# Allegro board pc053c_toplevel_43solder.brd (continued)
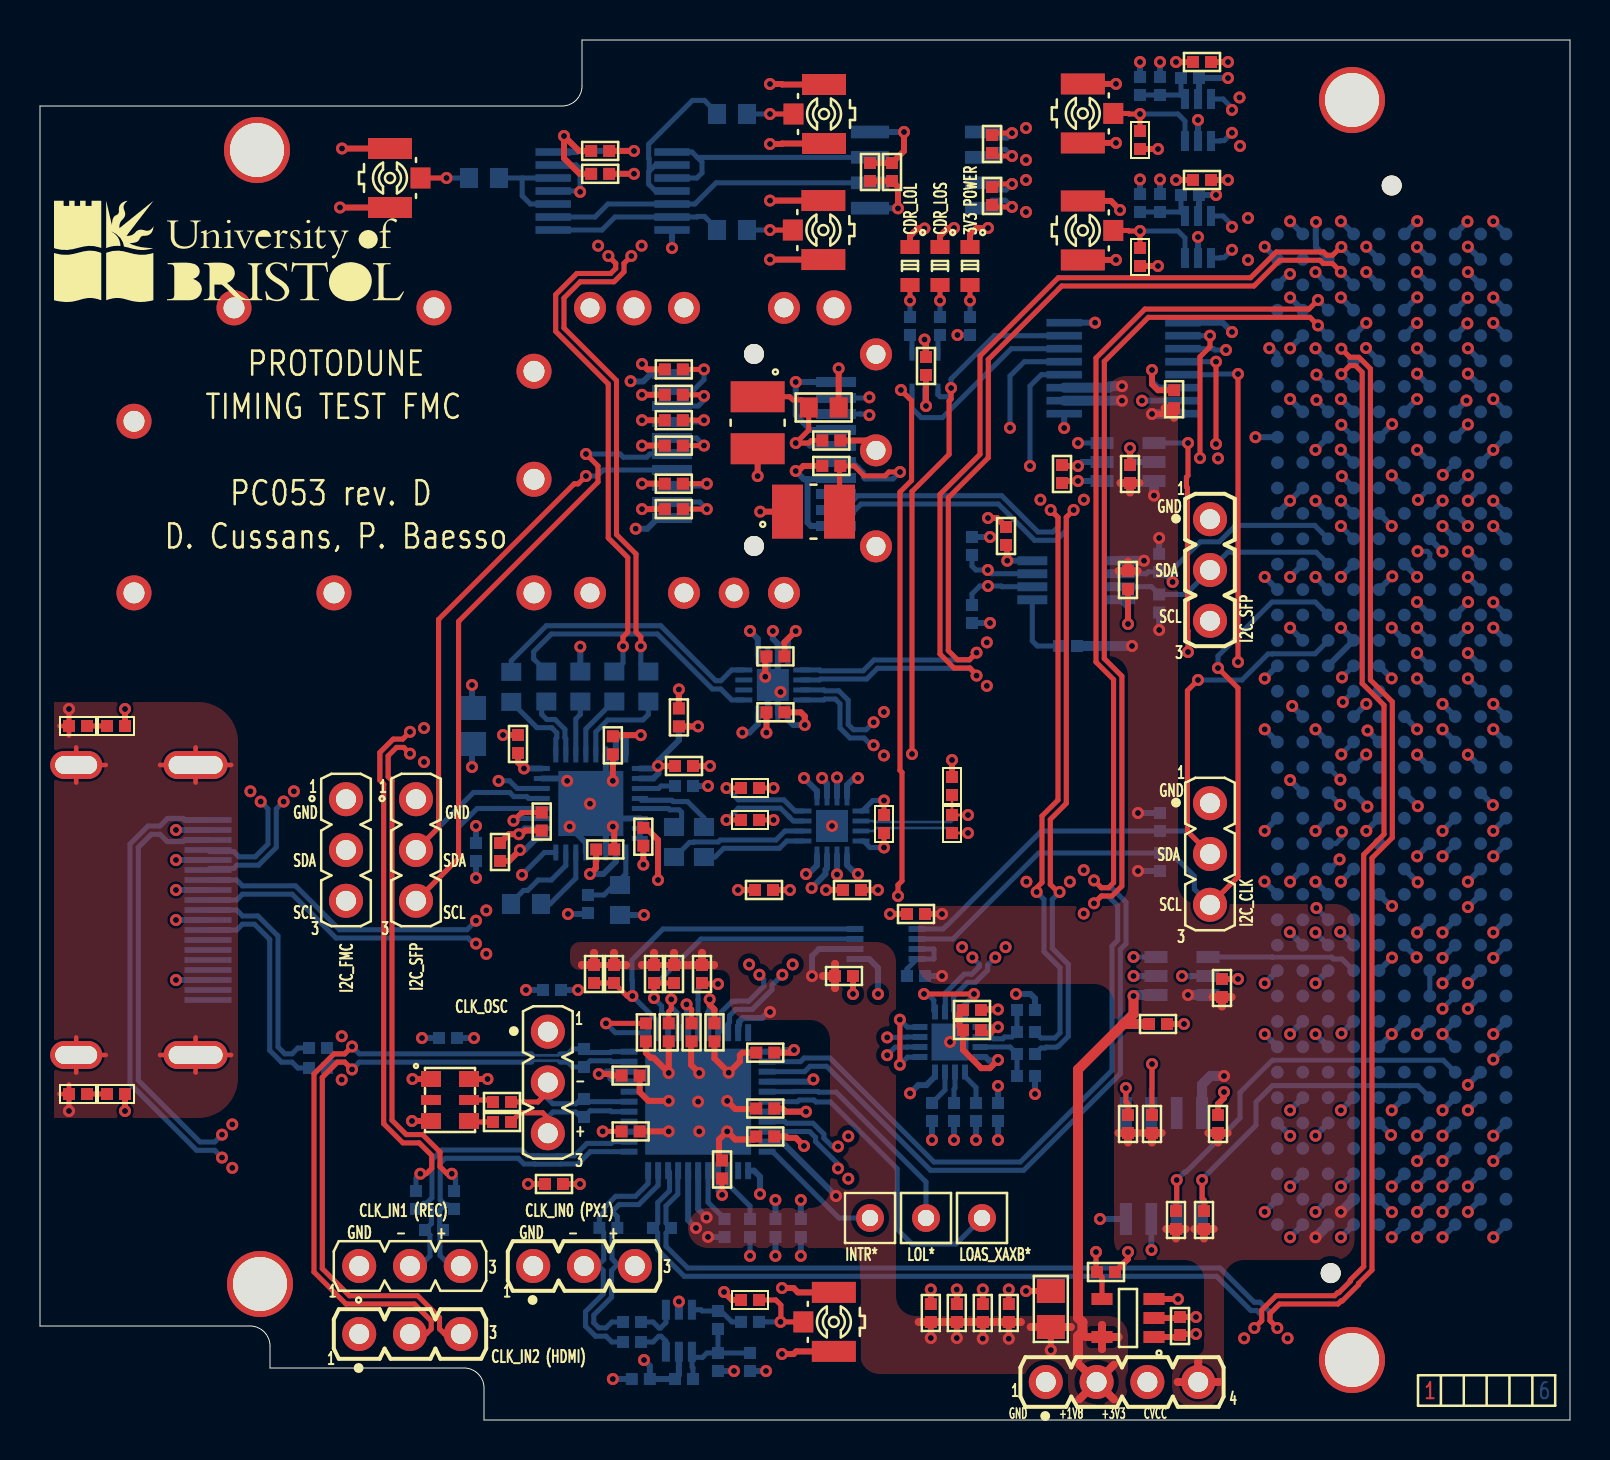
[diagram p0: board, top side]
## Routing (per net, layer and track width the routed paths; a pad name or vN(x,y) marks a point on that pad's centre or on a via; arc(x,y) is an arc through that point) (continued)
IN_N: length 4.1
  BOTTOM w0.254: C44.2 33.2,30.1 32.38,30.92 31.66,30.92 31.59,30.99 30.08,30.99 IC12.4
IN_P: length 3.1
  BOTTOM w0.254: C43.2 32.08,30.03 32.08,30.39 31.96,30.51 31.49,30.51 31.42,30.57 29.99,30.57 IC12.5
IN_SEL0: length 2.3
  TOP w0.254: R17.2 v1(28.13,14.43)
  BOTTOM w0.254: v1(28.13,14.43) 29.44,14.43 IC4.3
IN_SEL1: length 2.1
  TOP w0.254: R19.2 v1(34.1,11.26)
  BOTTOM w0.254: v1(34.1,11.26) 33.91,11.45 33.91,12.47
Net_87:
  vias: v1(45.5,18.9)
OSC_CLK_N: length 7.7
  TOP w0.254: C25.2 24.89,15.9 25.39,16.4 J2.2
  BOTTOM w0.254: J2.2 25.39,16.07 25.64,15.81 26.8,15.81 27.03,16.05 R7.2 27.33,15.92 IC4.6
OSC_CLK_P: length 8.1
  TOP w0.254: C21.2 24.01,15.36 25.14,15.36 25.39,15.1 J2.3
  BOTTOM w0.254: IC4.5 28.57,15.42 28.52,15.46 27.51,15.46 R7.1 27.03,15.15 26.79,15.4 25.65,15.4 25.39,15.14 J2.3
REC_CLK_N: length 55.2
  TOP w0.254: v1(19.02,12.31) 19.31,12.31 19.59,12.59 19.59,13.23 18.96,13.86 18.14,13.86 17.19,14.81 17.19,31.8 16.99,31.99 16.99,33.38 17.66,34.04 18.13,34.04 v1(18.5,34.41)
  L3_SIGN w0.2: v1(18.5,34.41) 18.61,34.41 18.97,34.05 19.35,34.05 19.46,33.94 21.4,33.94 21.64,33.71 22.91,33.71 22.93,33.69 29.81,33.69 30.27,33.69 30.28,33.71 38.81,33.71 39.64,34.54 41.44,34.54 41.68,34.78 v1(41.68,34.89)
  BOTTOM w0.254: v1(41.68,34.89) 41.31,34.51 40.67,34.51 40.41,34.77 40.41,35.99 39.94,36.46 39.23,36.46 39.19,36.5 IC17.11 ; C27.1 18.8,12.1 v1(19.02,12.31)
REC_CLK_P: length 54.3
  TOP w0.254: v1(18.5,33.32) 18.19,33.63 17.83,33.63 17.41,33.21 17.41,32.16 17.6,31.97 17.6,14.99 18.31,14.27 19.13,14.27 20,13.4 20,12.67 20.35,12.31 v1(20.59,12.31)
  L3_SIGN w0.2: v1(41.68,33.74) 41.56,33.74 41.21,34.09 39.83,34.09 38.99,33.25 30.47,33.25 30.46,33.24 22.74,33.24 22.73,33.25 21.45,33.25 21.21,33.49 18.99,33.49 18.82,33.32 v1(18.5,33.32)
  BOTTOM w0.254: IC17.12 39.19,36 39.23,36.05 39.77,36.05 40,35.82 40,34.6 40.5,34.1 41.2,34.1 41.56,33.74 v1(41.68,33.74) ; v1(20.59,12.31) 20.78,12.12 20.78,11.53 C24.1
S_CLK_IN: length 4.3
  TOP w0.254: R27.2 36.79,6 37.04,5.75 37.04,4.91 ; 37.04,4.91 v1(37.02,4.91) ; 37.04,4.91 PX1.1
  BOTTOM w0.254: v1(37.02,4.91) C50.1
S_GPIO_IN0: length 5.6
  TOP w0.25: R30.2 v1(55,65.3) 54.45,65.3 54.42,65.33 PX2.1
  BOTTOM w0.25: IC6.3 57.25,64.95 56.9,65.3 v1(55,65.3)
S_GPIO_IN1: length 5.6
  TOP w0.25: R31.2 v1(55,59.45) 54.45,59.45 54.42,59.48 PX3.1
  BOTTOM w0.25: IC7.3 57.25,59.1 56.9,59.45 v1(55,59.45)
SFP_LOS: length 24.6
  TOP w0.254: 32.14,51.26 33.14,51.26 v1(33.2,51.2)
  L3_SIGN w0.254: v1(33.2,51.2) 33.75,51.2 33.81,51.26 35.12,51.26 36.77,49.61 v1(48.5,49.61)
  BOTTOM w0.254: J4.8 32.91,50.7 33.2,50.99 v1(33.2,51.2) ; v1(48.5,49.61) 48.5,52.2 49.21,52.91 IC10.5
SFP_SCL: length 68.2
  TOP w0.254: v1(27.3,48.3) 27.9,47.7 27.9,46.9 20.93,39.93 20.93,28.09 J5.3
  L3_SIGN w0.254: v1(27.3,48.3) 27.69,47.91 27.89,47.91 28.4,47.4 28.4,43.9 29.8,42.5 v1(47.39,42.5)
  BOTTOM w0.254: J4.5 30.5,48.3 30.34,48.14 29.17,48.14 29.01,48.3 v1(27.3,48.3) ; R411.2 46.6,42.7 46.8,42.5 v1(47.39,42.5) 47.58,42.31 IC15.7 ; J5.3 20.93,28.09 20.93,29.65 21.86,30.58 IC12.20
SFP_SDA: length 64
  TOP w0.254: J5.2 19.93,29.63 19.93,40.03 26.71,46.81 26.91,46.81 v1(27.3,47.2)
  L3_SIGN w0.254: v1(27.3,47.2) 27.3,46.65 27.4,46.55 27.4,43.3 30.5,40.2 42.2,40.2 43.7,41.7 v1(47.4,41.7)
  BOTTOM w0.254: v1(27.3,47.2) 27.85,47.2 28.15,47.5 J4.4 ; IC12.21 24.44,31.08 24.34,31.17 23.69,31.17 23.49,31.38 21.68,31.38 J5.2 ; R140.2 46.6,41.3 47,41.7 v1(47.4,41.7) 48.06,41.7 48.1,41.66 IC15.6
SFP_TX_DISABLE: length 23.8
  TOP w0.254: v1(33.34,46.81) 32.14,46.81
  L3_SIGN w0.254: v1(51.9,48.85) 48.75,48.85 46.5,46.6 34.11,46.6 33.9,46.81 v1(33.34,46.81)
  BOTTOM w0.254: v1(33.34,46.81) 33.23,46.7 J4.3 ; IC14.3 v1(51.9,48.85)
SFP_TX_FAULT: length 26.1
  TOP w0.254: 32.14,45.55 v1(33.34,45.55)
  L3_SIGN w0.254: v1(49.5,47.7) 47.8,46 33.8,46 v1(33.34,45.55)
  BOTTOM w0.254: v1(49.5,47.7) 49.5,51.7 50.06,52.27 IC10.4 ; J4.2 32.99,45.9 v1(33.34,45.55)
SY5860_IN_N: length 14.3
  BOTTOM w0.254: R55.2 23.56,37.96 25.31,39.71 31.04,39.71 33.79,36.96 34.05,36.96 34.59,37.5 IC17.4
SY5860_IN_P: length 13.5
  BOTTOM w0.254: IC17.1 34.59,36 34.04,36.55 33.62,36.55 30.87,39.3 25.57,39.3 24.68,38.41 24.68,38.05 R54.2
T_CDR_N: length 5.3
  BOTTOM w0.254: IC13.9 37.34,28.95 36.97,28.59 34.19,28.59 33.75,28.15 C44.1
T_CDR_P: length 7
  BOTTOM w0.254: IC13.10 37.25,29.45 36.8,29 34.01,29 33.91,28.9 32.7,28.9 32.68,28.88 32.48,28.88 31.75,28.15 C43.1
T_FFD_CLK_N: length 14.5
  L3_SIGN w0.2: v1(35.97,22.26) 36.21,22.02 36.21,21.8 36.32,21.69 36.32,21.45 36.72,21.05 36.73,21.05 37.18,20.6 39.1,20.6 41.1,18.6 42,18.6 v1(42.36,18.24)
  BOTTOM w0.254: v1(42.36,18.24) 42.76,18.64 43.36,18.64 43.37,18.65 IC3.2 ; IC4.19 33.98,19.44 33.98,19.91 33.99,19.92 33.99,19.98 34.06,20.05 34.06,20.39 34.61,20.94 34.78,20.94 34.79,20.94 35.44,20.94 36.19,21.69 36.19,22.05 v1(35.97,22.26)
T_FFD_CLK_P: length 13.6
  L3_SIGN w0.2: v1(42.36,19.13) 42.13,19.13 42.05,19.05 41.29,19.05 39.29,21.05 37.37,21.05 36.92,21.51 36.91,21.51 36.78,21.64 36.78,21.92 v1(37.12,22.26)
  BOTTOM w0.254: IC4.20 34.39,19.38 34.39,19.74 34.41,19.75 34.41,19.81 34.48,19.88 34.48,20.22 34.78,20.52 34.95,20.52 34.96,20.53 35.61,20.53 36.6,21.52 36.6,21.75 v1(37.12,22.26) ; v1(42.36,19.13) 42.91,19.13 42.93,19.14 43.36,19.14 43.37,19.15 IC3.3
T_FFD_D_N: length 33.7
  L4_SIGN w0.2: v1(66.31,33.28) 65.92,33.67 65.92,33.93 65.45,34.4 64.66,34.4 64.21,33.95 50.61,33.95 46.97,30.31 46.97,23.47 v1(46.62,23.13)
  BOTTOM w0.254: v1(46.62,23.13) 46.97,22.78 46.97,22.67 46.59,22.29 46.21,22.29 45.26,21.35 45.26,20.41 IC3.6 ; v1(66.31,33.28) 65.68,32.65 P1.G22
T_FFD_D_P: length 32.2
  L4_SIGN w0.2: v1(65.07,33.28) 65.46,33.67 65.46,33.75 65.26,33.95 64.85,33.95 64.4,33.5 50.8,33.5 47.42,30.12 47.42,23.47 v1(47.77,23.13)
  BOTTOM w0.254: v1(47.77,23.13) 47.38,22.74 47.38,22.5 46.76,21.88 46.38,21.88 45.68,21.18 45.68,20.47 IC3.7 ; P1.G21 65.07,33.29 v1(65.07,33.28)
T_FMC_CLK_N: length 72.1
  TOP w0.254: v1(63.9,54.73) 63.5,55.13 55.42,55.13 53.21,52.93 53.21,38.07 54.09,37.19 54.09,26.7 53.6,26.2 53.07,26.2 v1(52.7,25.83)
  BOTTOM w0.254: IC4.24 38.03,17.92 38.21,18.1 39.5,18.1 44.7,12.9 49.01,12.9 53.6,17.49 53.6,23.7 53.89,23.99 53.89,25.71 53.4,26.2 53.07,26.2 v1(52.7,25.83) ; P1.H5 v1(63.9,54.73)
T_FMC_CLK_P: length 73.5
  TOP w0.254: v1(63.9,56) 63.45,55.55 55.25,55.55 52.8,53.1 52.8,37.9 53.68,37.02 53.68,26.87 53.43,26.61 53.07,26.61 v1(52.7,26.98)
  BOTTOM w0.254: P1.H4 v1(63.9,56) ; v1(52.7,26.98) 53.07,26.61 53.57,26.61 54.3,25.89 54.3,23.81 54.01,23.53 54.01,17.31 49.19,12.49 44.53,12.49 39.33,17.69 38.5,17.69 38.23,17.42 IC4.25
T_FMC_N: length 32.3
  TOP w0.254: R59.2 v1(36.68,30)
  L3_SIGN w0.2: v1(36.68,30) 37.2,30 38,30.8 41.14,30.8 42.16,31.81 57.91,31.81 58.04,31.94 58.96,31.94 59,31.9 59.91,31.9 63.36,28.45 63.41,28.45 63.47,28.39 64.13,28.39 64.19,28.45 64.63,28.45 v1(64.98,28.03)
  BOTTOM w0.254: v1(64.98,28.03) 64.5,27.55 P1.H26
T_FMC_P: length 32.6
  TOP w0.254: R58.2 v1(36.68,31.6)
  L3_SIGN w0.2: v1(36.68,31.6) 37.2,31.6 37.55,31.25 40.95,31.25 41.97,32.27 57.73,32.27 57.86,32.4 59.14,32.4 59.19,32.35 60.1,32.35 63.55,28.9 63.6,28.9 63.66,28.84 63.94,28.84 64,28.9 64.49,28.9 v1(65.09,29.42)
  BOTTOM w0.254: v1(65.09,29.42) 65.09,29.12 64.8,28.82 P1.H25
T_FMC_REC_CLK_N: length 47.1
  TOP w0.254: v1(46.83,38.37) 46.48,38.01 45.87,38.01 45.41,38.47 45.41,46.11 47.41,48.11 47.41,53.03 51.09,56.7 60.7,56.7 61.99,57.99 64,57.99 64.17,57.82 64.63,57.82 v1(65.04,57.41)
  BOTTOM w0.254: IC17.9 38.98,37.5 39.02,37.46 41.16,37.46 41.7,38 46.46,38 v1(46.83,38.37) ; P1.G3 65.04,57.4 v1(65.04,57.41)
T_FMC_REC_CLK_P: length 48.5
  TOP w0.254: v1(46.83,37.22) 46.83,37.27 46.5,37.6 45.7,37.6 45,38.3 45,46.29 47,48.29 47,53.2 50.91,57.11 60.53,57.11 61.81,58.4 64.17,58.4 64.34,58.24 64.63,58.24 65.04,58.65 v1(65.07,58.65)
  BOTTOM w0.254: v1(65.07,58.65) 65.27,58.45 65.28,58.43 P1.G2 ; v1(46.83,37.22) 46.46,37.59 41.87,37.59 41.33,37.05 39.02,37.05 38.98,37 IC17.10
T_MCX_CLK: length 75.2
  L4_SIGN w0.254: v1(27,61.41) 27,58.89 17.08,48.97 17.08,17.52 24.9,9.7 31.4,9.7 32.89,8.21 v1(35.5,8.21)
  BOTTOM w0.254: IC9.11 26.96,61.45 v1(27,61.41) 27,62.55 26.8,62.75 IC9.13 ; R26.2 v1(35.5,8.21)
T_RJ45_CLK_N: length 57
  L3_SIGN w0.2: v1(9.1,14.27) 9.45,13.92 24.25,13.92 25.17,13 38.64,13 38.99,13.35 39.58,13.35 v1(39.9,13.67)
  BOTTOM w0.254: v1(9.1,14.27) 8.73,13.9 8,13.9 4.91,16.99 4.91,28.63 5.57,29.29 6,29.29 6.36,28.92 7.15,28.92 7.22,29 J7.3 ; IC4.30 37.25,14.92 37.32,14.84 38.65,14.84 39.19,14.3 39.19,14.09 39.61,13.67 v1(39.9,13.67)
T_RJ45_CLK_P: length 58.7
  L3_SIGN w0.2: v1(9.1,13.12) 9.45,13.47 24.06,13.47 24.98,12.55 38.83,12.55 39.18,12.9 39.58,12.9 v1(39.9,12.58)
  BOTTOM w0.254: v1(9.1,13.12) 8.73,13.49 7.83,13.49 4.5,16.81 4.5,28.8 5.4,29.7 6,29.7 6.38,30.08 7.15,30.08 7.22,30 J7.1 ; v1(39.9,12.58) 39.9,12.8 38.78,13.92 38.78,14.12 38.48,14.42 37.25,14.42 37.25,14.42 IC4.31
T_RJ45_D_N: length 58.1
  L3_SIGN w0.2: v1(21.8,23.82) 22,23.82 22.21,24.03 22.61,24.19 60.69,24.19 61.44,24.94 62.76,24.94 62.91,24.78 63.39,24.78 v1(63.77,24.38)
  BOTTOM w0.254: v1(21.8,23.82) 21.68,23.82 21.4,24.1 14.8,24.1 12.61,26.29 10.12,26.29 9.83,26 J7.9 ; P1.H29 v1(63.77,24.38)
T_RJ45_D_P: length 58.1
  L3_SIGN w0.2: v1(21.8,24.97) 22.15,24.61 22.19,24.65 60.51,24.65 61.25,25.4 62.95,25.4 63.1,25.24 63.43,25.24 v1(63.82,25.6)
  BOTTOM w0.254: J7.7 9.83,27 10.12,26.71 12.78,26.71 14.97,24.51 21.35,24.51 v1(21.8,24.97) ; P1.H28 v1(63.82,25.6)
T_SFP_N: length 43.3
  TOP w0.254: v1(50.98,26.4) 50.89,26.4 50.51,26.78 50.51,30.03 51.31,30.83 51.31,45.13 v1(51.68,45.5)
  BOTTOM w0.254: v1(51.68,45.5) 51.31,45.13 51.31,44.48 50.82,43.99 49.73,43.99 47.91,45.8 41.05,45.8 40.75,45.5 J4.19 ; C2.2 50.05,18.6 50.26,18.6 50.3,18.64 50.83,18.64 50.88,18.69 50.92,18.69 51.41,19.18 51.41,22.79 50.61,23.59 50.61,26.03 v1(50.98,26.4)
T_SFP_P: length 41.8
  TOP w0.254: v1(49.83,26.4) 49.83,26.61 50.1,26.88 50.1,30.2 50.9,31 50.9,45.13 v1(50.53,45.5)
  BOTTOM w0.254: v1(50.53,45.5) 50.9,45.13 50.9,44.65 50.65,44.4 49.9,44.4 48.09,46.21 40.88,46.21 40.7,46.03 40.07,46.03 J4.18 ; v1(49.83,26.4) 50.2,26.03 50.2,23.41 51,22.61 51,19.35 50.75,19.1 50.05,19.1 C1.2
UNNAMED_2_CON400P40ABCDEFGHJK_I: length 1.3
  BOTTOM w0.254: P1.D30 P1.D31
UNNAMED_2_PCA9306_I276_EN: length 3.3
  BOTTOM w0.254: IC1.7 44.7,23.55 44.7,23.05 44.7,23.05 IC1.8 43.35,22.55 R1.1
UNNAMED_2_PCA9517_I162_EN: length 3.5
  BOTTOM w0.254: R42.1 49.87,38.7 49.61,38.95 IC15.5
UNNAMED_3_CAPCERSMDCL2_I315_A: length 3.1
  BOTTOM w0.254: R5.2 C1.1 48.6,19.15 48.23,19.15 48.14,19.06 47.66,19.06 47.57,19.15 IC3.10
UNNAMED_3_CAPCERSMDCL2_I316_A: length 3.1
  BOTTOM w0.254: IC3.11 48.5,18.65 C2.1 R6.2
UNNAMED_3_NBSG53A_I298_OLS: length 1.8
  BOTTOM w0.254: IC3.13 46.25,17.18 46.8,16.62 R3.1
UNNAMED_3_NBSG53A_I298_R: length 1.8
  BOTTOM w0.254: R2.2 45.25,16.5 IC3.15
UNNAMED_3_NBSG53A_I298_SEL: length 1.6
  BOTTOM w0.254: R4.1 45.7,16.54 45.75,16.59 IC3.14
UNNAMED_3_NBSG53A_I298_VTCLK: length 4.6
  TOP w0.254: v1(42.99,17.76) v1(42.99,20.02)
  BOTTOM w0.254: IC3.1 43.99,18.14 43.38,18.14 v1(42.99,17.76) ; IC3.4 43.99,19.64 43.37,19.64 v1(42.99,20.02)
UNNAMED_3_NBSG53A_I298_VTD: length 4.9
  TOP w0.254: v1(46.7,21.3) v1(44.2,21.3)
  BOTTOM w0.254: v1(44.2,21.3) 44.38,21.3 44.69,20.99 44.69,20.46 IC3.5 ; IC3.8 46.19,20.46 46.19,20.73 46.53,21.07 46.53,21.13 v1(46.7,21.3)
UNNAMED_4_CAPCERSMDCL2_I90_B: length 2.5
  TOP w0.254: v1(52.8,8.4) 52.8,7.45 C11.2 53.1,7.15 REG1.4
UNNAMED_4_CAPCERSMDCL2_I119_A: length 1.2
  TOP w0.254: QZ1.4 21.5,14.9 C21.1
UNNAMED_4_CAPCERSMDCL2_I120_A: length 1.2
  TOP w0.254: QZ1.5 22.55,16 C25.1
UNNAMED_4_RSMD0402_I16_A: length 4.3
  TOP w0.254: R10.1 v1(28.3,19.83)
  BOTTOM w0.254: v1(28.3,19.83) 28.77,19.37 IC4.12
UNNAMED_4_RSMD0402_I47_A: length 2.8
  BOTTOM w0.254: R13.1 33.41,10.88 33.41,12.47
UNNAMED_4_RSMD0402_I49_A: length 3.1
  TOP w0.254: R20.1 31.44,20.42 31.56,20.54 v1(31.56,21.03)
  BOTTOM w0.254: v1(31.56,21.03) 31.56,20.65 31.91,20.31 IC4.15
UNNAMED_4_RSMD0402_I50_A: length 2.5
  TOP w0.254: R21.1 32.58,20.53 v1(32.33,20.78)
  BOTTOM w0.254: v1(32.33,20.78) 32.33,20.29 32.41,20.21 IC4.16
UNNAMED_4_RSMD0402_I123_A: length 2.9
  BOTTOM w0.254: R26.1 35.5,10.69 34.41,11.79 34.41,12.47
UNNAMED_4_SI5344_I110_INTR: length 6.5
  BOTTOM w0.254: TP9.1 39.95,10.1 36.63,13.42 IC4.33
UNNAMED_4_SI5344_I110_LOL: length 11.6
  BOTTOM w0.254: IC4.27 37.68,16.42 37.69,16.43 38.9,16.43 38.94,16.39 39.81,16.39 44.3,11.9 TP10.1
UNNAMED_4_SI5344_I110_LOSXAXB: length 16.1
  BOTTOM w0.254: IC4.28 37.88,15.92 37.96,16 38.7,16 38.8,15.9 39.52,15.9 42.86,12.56 42.86,9.54 43.6,8.8 45.8,8.8 TP11.1
UNNAMED_5_74LCX04_I304_Y: length 5.3
  BOTTOM w0.254: IC9.12 24.11,62.1 ; 24.11,62.1 R47.1 ; 24.11,62.1 24.11,61.21 24.52,60.8 IC9.10
UNNAMED_5_74LCX04_I317_A: length 12.5
  BOTTOM w0.254: IC9.1 32.6,63.4 32.87,63.13 ; 32.87,63.13 IC8.7 ; 32.87,63.13 33.1,62.9 33.1,62.35 32.85,62.1 IC9.3
UNNAMED_5_74LCX04_I317_Y: length 9.2
  BOTTOM w0.254: R49.1 33.85,65.35 33.22,65.98 32.63,65.98 30.43,63.79 30.43,63.09 30.46,63.07 30.46,62.43 ; 30.46,62.43 30.43,62.41 30.43,61.79 30.78,61.45 IC9.4 ; 30.46,62.43 30.78,62.75 IC9.2
UNNAMED_5_74LCX04_I323_A: length 16.5
  BOTTOM w0.254: IC9.9 27.75,60.15 28.4,60.8 IC9.5 32.74,60.8 33.8,61.86 IC8.6
UNNAMED_5_74LCX04_I323_Y: length 8.8
  BOTTOM w0.254: IC9.8 28.1,59.5 28.75,60.15 IC9.6 32.85,60.15 32.88,60.18 33.22,60.18 33.85,59.55 R48.1
UNNAMED_5_ADCMP604_I256_: length 5.6
  BOTTOM w0.254: 32.59,3.13 32.59,2.96 32.6,2.95 32.6,2.65 32.65,2.6 R32.1 ; 32.59,3.13 33.13,3.13 33.35,3.35 C51.2 ; 32.59,3.13 IC5.4 ; R44.1 C51.2 ; C51.2 R33.2
UNNAMED_5_ADCMP604_I256__1: length 2.7
  BOTTOM w0.254: IC5.3 33.05,5.51 33.11,5.45 R44.2 34.05,5.45 34.59,4.91 C50.2
UNNAMED_5_ADCMP604_I285_: length 3.2
  BOTTOM w0.254: R35.1 57.05,66.25 ; 57.05,66.25 IC6.4 ; 57.05,66.25 C52.2 R36.2
UNNAMED_5_ADCMP604_I294_: length 3.2
  BOTTOM w0.254: 57.05,60.4 C53.2 R38.2 ; 57.05,60.4 R37.1 ; 57.05,60.4 IC7.4
UNNAMED_5_PCOAX_I312_A: length 2.4
  TOP w0.254: PX4.1 v1(20.32,62.1)
  BOTTOM w0.254: R47.2 v1(20.32,62.1)
UNNAMED_5_PCOAX_I315_A: length 2.3
  TOP w0.254: v1(36.5,65.3) PX6.1
  BOTTOM w0.254: v1(36.5,65.3) R49.2
UNNAMED_5_PCOAX_I321_A: length 2.3
  TOP w0.254: PX5.1 v1(36.5,59.5)
  BOTTOM w0.254: R48.2 36.5,59.5 v1(36.5,59.5)
UNNAMED_6_CAPCERSMDCL2_I6_B: length 1
  TOP w0.254: R62.1 C74.2
UNNAMED_6_CAPCERSMDCL2_I7_B: length 1
  TOP w0.254: R63.1 C75.2
UNNAMED_11_ADN2814_I23_CF1: length 4.2
  BOTTOM w0.254: IC12.15 26.29,27.72 25.57,27 24.91,27 24.39,26.48 24.18,26.48 23.55,25.85 C39.1
UNNAMED_11_ADN2814_I23_CF2: length 3.6
  BOTTOM w0.254: C39.2 25.5,25.8 26.79,27.09 IC12.14
UNNAMED_11_ADN2814_I23_DATAOUTN: length 3.3
  BOTTOM w0.254: R53.1 28.67,35.92 27.29,34.55 IC12.28
UNNAMED_11_ADN2814_I23_DATAOUTP: length 4.8
  BOTTOM w0.254: R52.1 30.42,35.27 30.15,35 28.39,35 27.79,34.41 IC12.29
UNNAMED_11_ADN2814_I23_SADDRS: length 3
  TOP w0.254: R57.1 24.17,30.37 24.16,30.36 24.07,30.36 v1(23.67,29.96)
  BOTTOM w0.254: v1(23.67,29.96) 23.76,29.96 23.88,30.08 IC12.19
UNNAMED_11_ADN2814_I23_SQUELCH: length 2.7
  BOTTOM w0.254: IC12.27 26.79,35.06 27.02,35.28 R12.1
UNNAMED_11_ADN2814_I23_THRADJ: length 3.6
  BOTTOM w0.254: IC12.9 29.29,27.3 29,27.01 R34.2 28.7,26.75 28.2,26.25 C42.2
UNNAMED_11_ADN2814_I23_VREF: length 1.8
  BOTTOM w0.254: IC12.3 30.93,31.58 31.05,31.7 C38.2
UNNAMED_11_CAPCERSMDCL2_I317_A: length 7.3
  TOP w0.127: C73.1 R61.1 v1(46.4,30.25)
  BOTTOM w0.127: v1(46.4,30.25) 45.91,30.25 45.56,29.9 41.72,29.9 41.67,29.95 IC13.2
UNNAMED_11_CON20PSFP_I175_MODDE: length 2.8
  TOP w0.254: v1(33.2,48.72) 32.14,48.72
  BOTTOM w0.254: J4.6 32.82,49.1 v1(33.2,48.72)
UNNAMED_11_CON20PSFP_I175_RATES: length 2.7
  TOP w0.254: v1(33.2,49.99) 32.14,49.99
  BOTTOM w0.254: v1(33.2,49.99) 33.11,49.9 J4.7
UNNAMED_11_CON20PSFP_I175_VCCR: length 8.3
  TOP w0.254: C63.2 38.56,48.97 38.43,48.85 v1(37.79,48.85) 38.43,49.49 C64.2 38.05,51.01 37.64,51.01 37.49,51.16 L1.1
  BOTTOM w0.254: v1(37.79,48.85) 38.34,48.85 38.49,48.7 J4.15
UNNAMED_11_CON20PSFP_I175_VCCT: length 9.4
  TOP w0.254: L2.2 39.98,47.7 C62.2 40.71,47.7 41.21,47.21 42.25,47.21 42.45,47.4 v1(43,47.4)
  BOTTOM w0.254: v1(43,47.4) 43,47.4 42.65,47.05 41.25,47.05 41.17,47.13 41.17,47.37 40.92,47.63 40.91,47.63 40.64,47.9 J4.16
UNNAMED_11_CON20PSFP_I175_VEER: length 3.4
  TOP w0.254: 32.14,52.53 v1(33.2,52.53)
  BOTTOM w0.254: J4.9 32.68,51.5 33.2,52.02 v1(33.2,52.53)
UNNAMED_11_LED1_I225_A: length 1.6
  TOP w0.254: v1(43.5,55.97) LD1.1
  BOTTOM w0.254: R50.1 v1(43.5,55.97)
UNNAMED_11_LED1_I226_A: length 1.6
  TOP w0.254: v1(45,55.97) LD2.1
  BOTTOM w0.254: R51.1 v1(45,55.97)
UNNAMED_11_LED1_I227_A: length 1.6
  TOP w0.254: LD3.1 v1(46.5,55.97)
  BOTTOM w0.254: v1(46.5,55.97) R56.1
UNNAMED_11_RSMD0402_I232_B: length 1
  BOTTOM w0.254: IC18.4 43.6,54.05 43.5,54.15 R50.2
UNNAMED_11_RSMD0402_I233_B: length 1
  BOTTOM w0.254: R51.2 45,54.15 44.9,54.05 IC18.6
UNNAMED_11_RSMD0402_I312_A: length 5
  TOP w0.254: R58.1 v1(34.32,31.6)
  BOTTOM w0.254: IC13.12 37.75,30.45 37.19,31.01 34.92,31.01 v1(34.32,31.6)
UNNAMED_11_RSMD0402_I313_A: length 5.1
  TOP w0.254: R59.1 v1(34.32,30)
  BOTTOM w0.254: IC13.11 37.66,29.95 37.46,30.16 37.02,30.59 34.92,30.59 v1(34.32,30)
UNNAMED_11_RSMD0402_I316_B: length 6.3
  TOP w0.127: R61.2 v1(46.4,29.35)
  BOTTOM w0.127: v1(46.4,29.35) 45.91,29.35 45.66,29.6 41.82,29.6 41.67,29.45 IC13.3

## Copper pours and planes (outline as drawn; the poured copper is in the pictures)
GND on L2_GND: 22.84,0.64 22.84,1.6 22.36,2.76 21.2,3.24 12.14,3.24 12.14,3.7 11.66,4.86 10.5,5.34 0.64,5.34 0.64,65.06 26.1,65.06 27.26,65.54 27.74,66.7 27.74,68.36 75.86,68.36 75.86,2.37 68.9,2.37 68.9,0.64
P3V3 on L5_PWR: 22.84,0.64 22.84,1.6 22.36,2.76 21.2,3.24 12.14,3.24 12.14,3.7 11.66,4.86 10.5,5.34 0.7,5.34 0.7,65.06 26.1,65.06 27.26,65.54 27.74,66.7 27.74,68.36 75.86,68.36 75.86,2.37 68.9,2.37 68.9,0.64
AGND on TOP: 0.7,35.9 7.9,35.9 9.31,35.31 9.9,33.9 9.9,17.1 9.31,15.69 7.9,15.1 0.7,15.1
P1V8 on TOP: 33.4,8.6 32.4,9.6 33.4,10.6 38.5,10.6 39.21,10.89 39.5,11.6 39.5,19 39.21,19.71 38.5,20 35.5,20 34.79,20.29 34.5,21 34.5,22 34.35,22.35 34,22.5 27,22.5 26.65,22.65 26.5,23 26.5,23.4 26.65,23.75 27,23.9 41.8,23.9 42.51,23.61 42.8,22.9 42.8,6.2 43.09,5.49 43.8,5.2 53.4,5.2 54.11,4.91 54.4,4.2 54.4,1.7 54.11,0.99 53.4,0.7 52.4,0.7 51.69,0.99 51.4,1.7 51.4,2.3 42,2.3 41.29,2.59 41,3.3 41,7.6 40.71,8.31 40,8.6
CVCC on TOP: 53.3,51.2 53.59,51.91 54.3,52.2 55.9,52.2 56.61,51.91 56.9,51.2 56.9,26.8 57.19,26.09 57.9,25.8 64.73,25.8 65.43,25.51 65.73,24.8 65.73,9 65.43,8.29 64.73,8 60.2,8 59.49,7.71 59.2,7 59.2,1.7 58.91,0.99 58.2,0.7 57.6,0.7 56.89,0.99 56.6,1.7 56.6,2.2 56.89,2.91 57.6,3.2 57.7,3.2 58.05,3.35 58.2,3.7 58.2,7 57.91,7.71 57.2,8 54.7,8 53.99,8.29 53.7,9 53.7,20.8 53.41,21.51 52.7,21.8 44.9,21.8 44.19,22.09 43.9,22.8 43.9,24.7 44.19,25.41 44.9,25.7 53.4,25.7 54.11,25.99 54.4,26.7 54.4,37.2 54.11,37.91 53.4,38.2 53.3,38.2

## Text on the board
BOTTOM: 6
Ref Des/Silkscreen Bottom: GND | +1V8 | +3V3 | CVCC | SDA | SCL | INTR* | LOL* | LOAS_XAXB* | I2C_CLK | I2C_SFP | I2C_FMC
TOP: 1
Ref Des/Silkscreen Top: GND       +1V8    +3V3    CVCC | GND | SDA | SCL | GND    -     + | CLK_IN1 (REC) | CLK_OSC | CLK_IN2 (HDMI) | CLK_IN0 (PX1) | - | + | INTR* | LOL* | LOAS_XAXB* | I2C_FMC | I2C_SFP | CDR_LOL | CDR_LOS | 3V3 POWER | I2C_CLK | PROTODUNE | D. Cussans, P. Baesso
L2_GND: 2
L3_SIGN: 3
L4_SIGN: 4
L5_PWR: 5
User.45: FIGURE | FINISHED_SIZE | 0.3 | 0.8128 | 0.8499 | 0.95 | 1.0 | 1.05 | 2.7 | 1.3 | 1.4 | 2.1x0.9 | 2.7x0.9 | DRILL CHART: TOP to BOTTOM | ALL UNITS ARE IN MILLIMETERS | PLATED | NON-PLATED | QTY | 563 | 3 | 1 | 9 | 28 | 10 | 4 | 2
